# Altium PCB Узел.PcbDoc
Units mm, origin at the board's own origin, x right, y up, seen from the top; angles counter-clockwise.
Board outline 18 x 43.2 mm, 4 copper layers (Top Layer, Int1 (GND), Int2 (PWR), Bottom Layer), stack 1.369 mm thick; 50 components, 51 nets, 209 pads, 74 vias.
Unrouted connection lines stored in the file: 74.
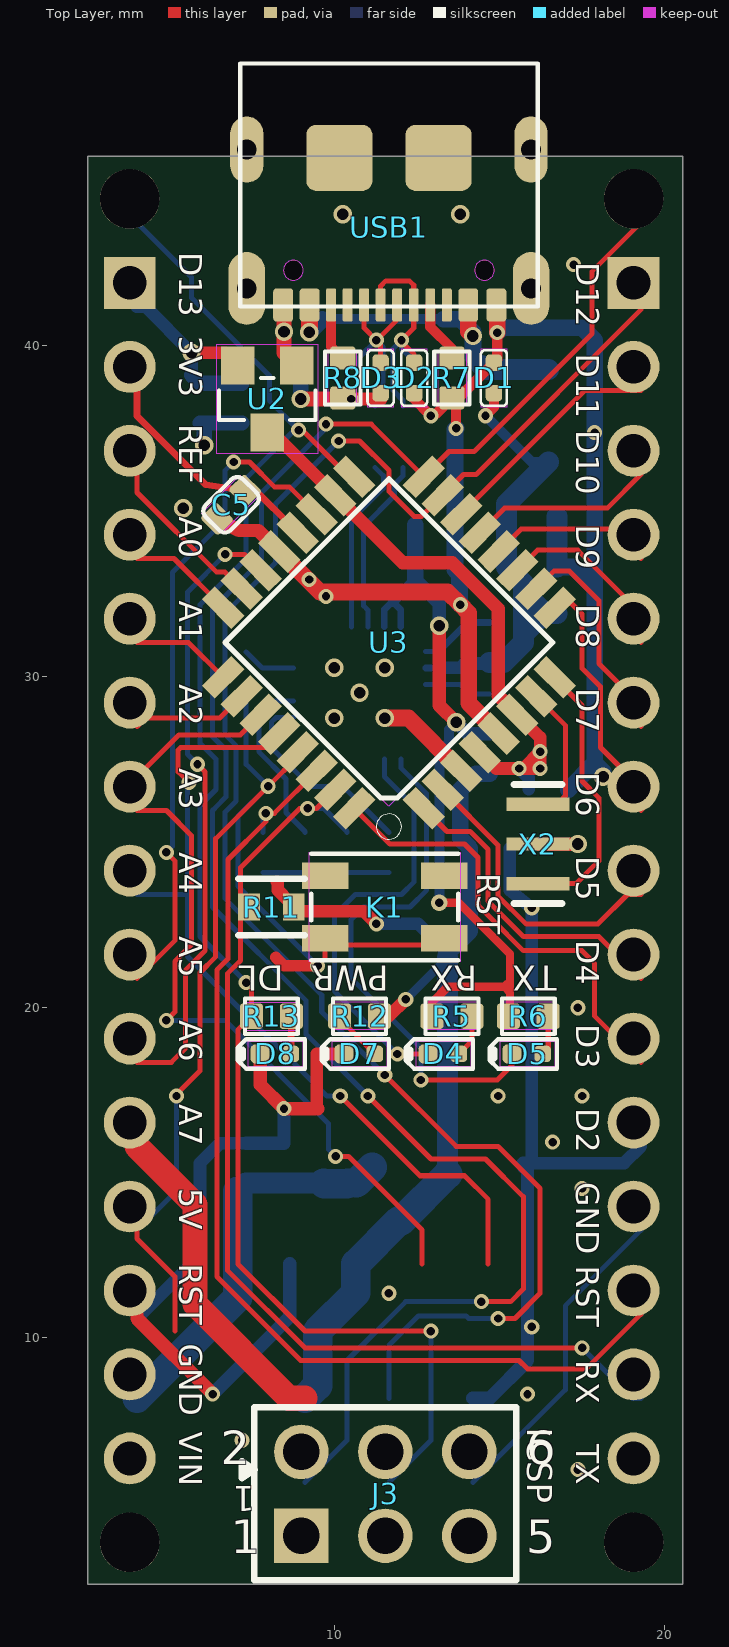
[diagram p0: Top Layer view]
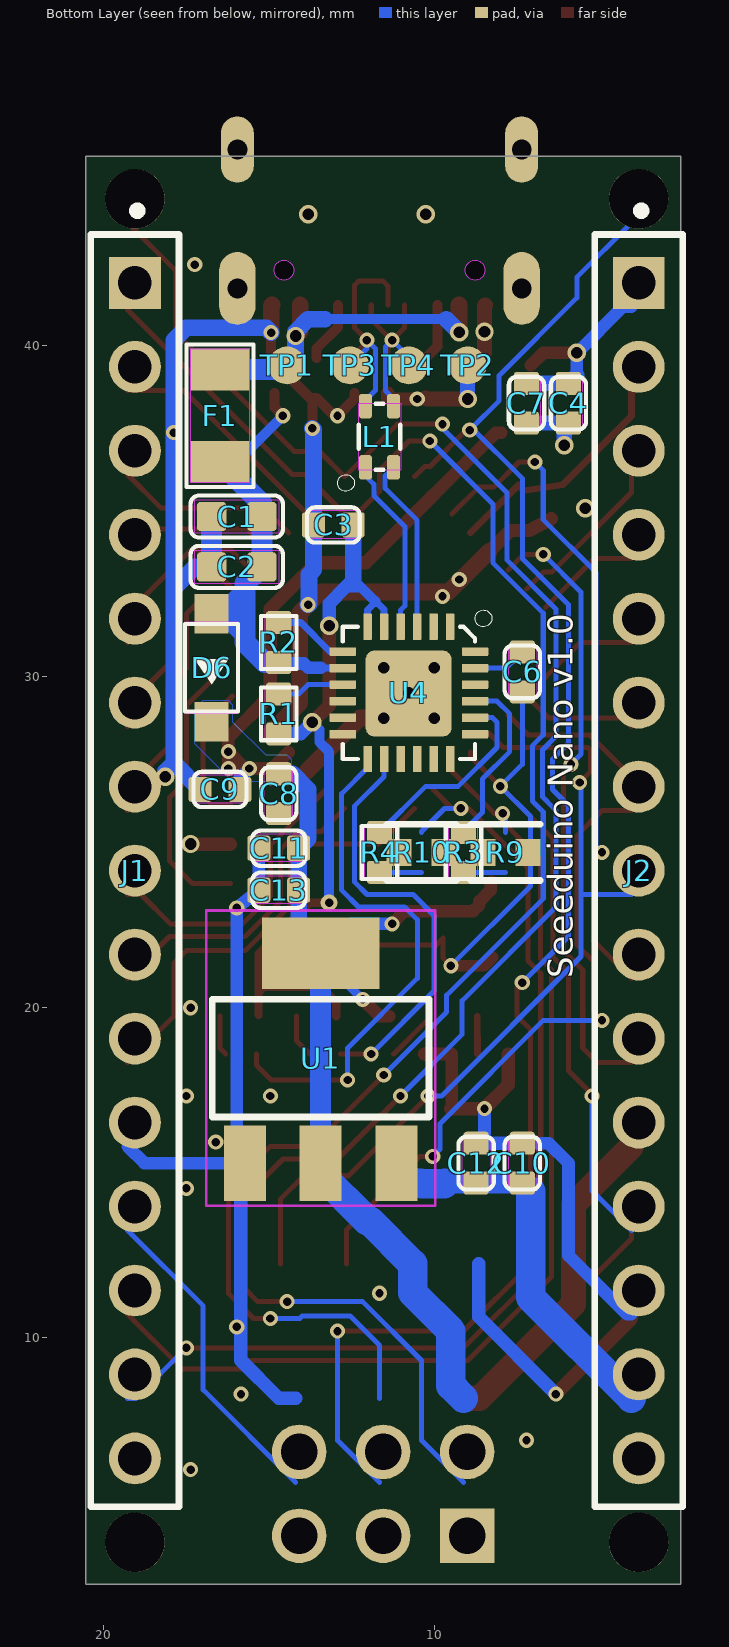
[diagram p1: Bottom Layer view, seen from below]

## Layer stack, top to bottom
Top Solder: solder mask 0.0254, SM-001, Dk 4
Top Layer: signal copper 0.035
Dielectric 1: prepreg 0.1295, PP-017, Dk 4.3
Dielectric 2: prepreg 0.1295, PP-017, Dk 4.3
Int1 (GND): signal copper 0.035
Dielectric 3: core 0.7112, Core-039, Dk 4.8
Int2 (PWR): signal copper 0.035
Dielectric 4: prepreg 0.1295, PP-017, Dk 4.3
Dielectric 5: prepreg 0.1295, PP-017, Dk 4.3
Bottom Layer: signal copper 0.035
Bottom Solder: solder mask 0.0254, SM-001, Dk 4

## Board outline
2.54,2.54 2.54,45.74 20.54,45.74 20.54,2.54
cut-out: 14.54,42.59 ccw(c14.54,42.29) 14.24,42.29 ccw(c14.54,42.29) 14.54,41.99 ccw(c14.54,42.29) 14.84,42.29 ccw(c14.54,42.29)
cut-out: 8.76,42.59 ccw(c8.76,42.29) 8.46,42.29 ccw(c8.76,42.29) 8.76,41.99 ccw(c8.76,42.29) 9.06,42.29 ccw(c8.76,42.29)

## Design rules (kind name [scope] priority, off if disabled: settings)
AcuteAngle [All] p1: minimum=3.50000000000000E+0001 checktracksonly=FALSE
BoardOutlineClearance "BoardOutlineClearance 1" [All] p1: gap=0.25 ignorepadtopadclearanceinfootprint=FALSE except(0: Arc-SplitContinuation Track-SplitContinuation SMDPad-SplitContinuation THPad-SplitContinuation Via-SplitContinuation Fill-SplitContinuation Poly-SplitContinuation Region-SplitContinuation Text-SplitContinuation) // Milling
BoardOutlineClearance "BoardOutlineClearance 2" [All] p2: gap=0.4 ignorepadtopadclearanceinfootprint=FALSE except(0: Arc-SplitContinuation Track-SplitContinuation SMDPad-SplitContinuation THPad-SplitContinuation Via-SplitContinuation Fill-SplitContinuation Poly-SplitContinuation Region-SplitContinuation Text-SplitContinuation) // V-Cut
Clearance "Clearance 3 Oz" [All] p1: gap=0.35 ignorepadtopadclearanceinfootprint=FALSE except(0.25: Arc-Hole Track-Hole SMDPad-Hole THPad-Hole Via-Hole Fill-Hole Poly-Hole Region-Hole Text-Hole)
Clearance "Clearance 2 Oz" [All] p2: gap=0.3 ignorepadtopadclearanceinfootprint=FALSE except(0.25: Arc-Hole Track-Hole SMDPad-Hole THPad-Hole Via-Hole Fill-Hole Poly-Hole Region-Hole Text-Hole)
Clearance "Clearance-1 1 Oz" [All] p3: gap=0.2 ignorepadtopadclearanceinfootprint=FALSE except(0.25: Arc-Hole Track-Hole SMDPad-Hole THPad-Hole Via-Hole Fill-Hole Poly-Hole Region-Hole Text-Hole) // Standart
Clearance "Clearance-2 1 Oz" [All] p4: gap=0.15 ignorepadtopadclearanceinfootprint=FALSE except(0.2: Arc-Fill Arc-Poly Track-Fill Track-Poly SMDPad-Fill SMDPad-Poly THPad-Fill THPad-Poly Via-Fill Via-Poly Fill-Fill Fill-Poly Poly-Poly; 0.25: Arc-Hole Track-Hole SMDPad-Hole THPad-Hole Via-Hole Fill-Hole Poly-Hole Region-Hole Text-Hole) // Advance
Clearance "Clearance-1 1/2 Oz" [All] p5: gap=0.125 ignorepadtopadclearanceinfootprint=FALSE except(0.2: Arc-Fill Arc-Poly Track-Fill Track-Poly SMDPad-SMDPad SMDPad-Fill SMDPad-Poly THPad-Fill THPad-Poly Via-Fill Via-Poly Fill-Fill Fill-Poly Poly-Poly Poly-Region Poly-Text; 0.25: Arc-Hole Track-Hole SMDPad-Hole THPad-Hole Via-Hole Fill-Hole Poly-Hole Region-Hole Text-Hole) // Standart
Clearance "Clearance-2 1/2 Oz" [All] p6: gap=0.1 ignorepadtopadclearanceinfootprint=FALSE except(0.15: Arc-Fill Arc-Poly Track-Fill Track-Poly SMDPad-SMDPad SMDPad-Fill SMDPad-Poly THPad-Fill THPad-Poly Via-Fill Via-Poly Fill-Fill Fill-Poly Poly-Poly Poly-Region Poly-Text; 0.25: Arc-Hole Track-Hole SMDPad-Hole THPad-Hole Via-Hole Fill-Hole Poly-Hole Region-Hole Text-Hole) // Advance
DiffPairsRouting "DiffPairsRouting 1 Oz" [All] p1: maxlimit=0.254 minlimit=0.2 mostfreqgap=0.254 toplayer_minwidth=0.2 toplayer_maxwidth=0.381 toplayer_prefwidth=0.381 midlayer1_minwidth=0.2 midlayer1_maxwidth=0.381 midlayer1_prefwidth=0.381 midlayer2_minwidth=0.2 midlayer2_maxwidth=0.381 midlayer2_prefwidth=0.381 bottomlayer_minwidth=0.2 bottomlayer_maxwidth=0.381 bottomlayer_prefwidth=0.381 maxuncoupledlength=12.7
DiffPairsRouting "DiffPairsRouting 1/2 Oz" [All] p2: maxlimit=0.254 minlimit=0.1 mostfreqgap=0.254 toplayer_minwidth=0.1 toplayer_maxwidth=0.381 toplayer_prefwidth=0.381 midlayer1_minwidth=0.1 midlayer1_maxwidth=0.381 midlayer1_prefwidth=0.381 midlayer2_minwidth=0.1 midlayer2_maxwidth=0.381 midlayer2_prefwidth=0.381 bottomlayer_minwidth=0.1 bottomlayer_maxwidth=0.381 bottomlayer_prefwidth=0.381 maxuncoupledlength=12.7
HoleSize "Minimum HoleSize" [IsPad] p1: absolutevalues=TRUE maxlimit=5.9 minlimit=0.6 maxpercent=80.000 minpercent=20.000
HoleSize "Minimum HoleSize VIA 1" [IsVia] p2: absolutevalues=TRUE maxlimit=5.9 minlimit=0.3 maxpercent=80.000 minpercent=20.000 // Standart
HoleSize "Minimum HoleSize VIA 2" [IsVia] p3: absolutevalues=TRUE maxlimit=5.9 minlimit=0.2 maxpercent=80.000 minpercent=20.000 // Advance
HoleToHoleClearance Hole2HoleClearance [All] p1: gap=0.25 allowstackedmicrovias=FALSE
MinimumAnnularRing "Minimum AR VIA Standart" [IsVia] p1: minimumring=0.15
MinimumAnnularRing "Minimum AR PAD Standart" [IsPAD] p2: minimumring=0.2
MinimumAnnularRing "Minimum AR VIA Advance" [IsVia] p3: minimumring=0.1
MinimumAnnularRing "Minimum AR PAD Advance" [IsPAD] p4: minimumring=0.15
MinimumSolderMaskSliver "SolderMask Bridge Standart" [All] p1: minsoldermaskwidth=0.15 // All Masks
MinimumSolderMaskSliver "SolderMask Bridge Advance" [All] p2: minsoldermaskwidth=0.1 // Mask LDI
PlaneClearance "PlaneClearance 3 Oz" [All] p1: clearance=0.35
PlaneClearance "PlaneClearance 2 Oz" [All] p2: clearance=0.3
PlaneClearance "PlaneClearance 1 Oz" [All] p3: clearance=0.2
PlaneClearance "PlaneClearance-1 1/2 Oz" [All] p4: clearance=0.2 // Standart
PlaneClearance "PlaneClearance-2 1/2 Oz" [All] p5: clearance=0.15 // Advance
PlaneConnect "TermalConnect 3 Oz" [All] p1: planeconnectstyle=Relief reliefexpansion=0.2 reliefentries=4 reliefconductorwidth=0.35 reliefairgap=0.35 // Standart
PlaneConnect "TermalConnect 2 Oz" [All] p2: planeconnectstyle=Relief reliefexpansion=0.2 reliefentries=4 reliefconductorwidth=0.3 reliefairgap=0.3 // Standart
PlaneConnect "TermalConnect-1 1 Oz" [All] p3: planeconnectstyle=Relief reliefexpansion=0.2 reliefentries=4 reliefconductorwidth=0.2 reliefairgap=0.2 // Standart
PlaneConnect "TermalConnect-2 1 Oz" [All] p4: pad.planeconnectstyle=Relief pad.reliefexpansion=0.15 pad.reliefentries=4 pad.reliefconductorwidth=0.2 pad.reliefairgap=0.2 via.planeconnectstyle=Direct via.reliefexpansion=0.15 via.reliefentries=4 via.reliefconductorwidth=0.15 via.reliefairgap=0.15 // Advance
PlaneConnect "TermalConnect-1 1/2 Oz" [All] p5: planeconnectstyle=Relief reliefexpansion=0.2 reliefentries=4 reliefconductorwidth=0.2 reliefairgap=0.2 // Standart
PlaneConnect "TermalConnect-2 1/2 Oz" [All] p6: pad.planeconnectstyle=Relief pad.reliefexpansion=0.15 pad.reliefentries=4 pad.reliefconductorwidth=0.15 pad.reliefairgap=0.15 via.planeconnectstyle=Direct via.reliefexpansion=0.15 via.reliefentries=4 via.reliefconductorwidth=0.15 via.reliefairgap=0.15 // Advance
PolygonConnect "PolygonConnect 3 Oz" [All] p1: thpad.connectstyle=Relief thpad.reliefconductorwidth=0.35 thpad.reliefentries=4 thpad.polygonreliefangle="90 Angle" thpad.airgapwidth=0.35 smdpad.connectstyle=Relief smdpad.reliefconductorwidth=0.35 smdpad.reliefentries=4 smdpad.polygonreliefangle="90 Angle" smdpad.airgapwidth=0.35 via.connectstyle=Direct via.reliefconductorwidth=0.254 via.reliefentries=4 via.polygonreliefangle="90 Angle" via.airgapwidth=0.254
PolygonConnect "PolygonConnect 2 Oz" [All] p2: thpad.connectstyle=Relief thpad.reliefconductorwidth=0.3 thpad.reliefentries=4 thpad.polygonreliefangle="90 Angle" thpad.airgapwidth=0.3 smdpad.connectstyle=Relief smdpad.reliefconductorwidth=0.3 smdpad.reliefentries=4 smdpad.polygonreliefangle="90 Angle" smdpad.airgapwidth=0.3 via.connectstyle=Direct via.reliefconductorwidth=0.254 via.reliefentries=4 via.polygonreliefangle="90 Angle" via.airgapwidth=0.254
PolygonConnect "PolygonConnect-1 1 Oz" [All] p3: thpad.connectstyle=Relief thpad.reliefconductorwidth=0.2 thpad.reliefentries=4 thpad.polygonreliefangle="90 Angle" thpad.airgapwidth=0.2 smdpad.connectstyle=Relief smdpad.reliefconductorwidth=0.2 smdpad.reliefentries=4 smdpad.polygonreliefangle="90 Angle" smdpad.airgapwidth=0.2 via.connectstyle=Direct via.reliefconductorwidth=0.254 via.reliefentries=4 via.polygonreliefangle="90 Angle" via.airgapwidth=0.254 // Standart
PolygonConnect "PolygonConnect-2 1 Oz" [All] p4: thpad.connectstyle=Relief thpad.reliefconductorwidth=0.15 thpad.reliefentries=4 thpad.polygonreliefangle="90 Angle" thpad.airgapwidth=0.15 smdpad.connectstyle=Relief smdpad.reliefconductorwidth=0.15 smdpad.reliefentries=4 smdpad.polygonreliefangle="90 Angle" smdpad.airgapwidth=0.15 via.connectstyle=Direct via.reliefconductorwidth=0.254 via.reliefentries=4 via.polygonreliefangle="90 Angle" via.airgapwidth=0.254 // Advance
PolygonConnect "PolygonConnect-1 1/2 Oz" [All] p5: thpad.connectstyle=Relief thpad.reliefconductorwidth=0.15 thpad.reliefentries=4 thpad.polygonreliefangle="90 Angle" thpad.airgapwidth=0.2 smdpad.connectstyle=Relief smdpad.reliefconductorwidth=0.2 smdpad.reliefentries=4 smdpad.polygonreliefangle="90 Angle" smdpad.airgapwidth=0.2 via.connectstyle=Direct via.reliefconductorwidth=0.254 via.reliefentries=4 via.polygonreliefangle="90 Angle" via.airgapwidth=0.254 // Standart
PolygonConnect "PolygonConnect-2 1/2 Oz" [All] p6: thpad.connectstyle=Relief thpad.reliefconductorwidth=0.125 thpad.reliefentries=4 thpad.polygonreliefangle="90 Angle" thpad.airgapwidth=0.15 smdpad.connectstyle=Relief smdpad.reliefconductorwidth=0.125 smdpad.reliefentries=4 smdpad.polygonreliefangle="90 Angle" smdpad.airgapwidth=0.15 via.connectstyle=Direct via.reliefconductorwidth=0.254 via.reliefentries=4 via.polygonreliefangle="90 Angle" via.airgapwidth=0.254 // Advance
RoutingCorners [All] p1 off: cornerstyle=45-Degree minsetback=2.54 maxsetback=2.54
RoutingVias [All] p1: holewidth=0.3 width=0.6 viastyle="Through Hole" minholewidth=0.2 minwidth=0.4 maxholewidth=5.9 maxwidth=6.4
SilkToSilkClearance Silk2SilkClearance [All] p1 off: silktosilkclearance=0.15
SilkToSolderMaskClearance Silk2SolderMaskClearance [IsPad] p1 off: minsilkscreentomaskgap=0.15 clearancetoexposedcopper=TRUE
SolderMaskExpansion SolderMaskExpansion-1 [All] p1: expansion=0.05 istentingtop=FALSE // Standart
SolderMaskExpansion "SolderMaskExpansion LDI" [All] p2: expansion=0.025 istentingtop=FALSE // Advance
UnRoutedNet [All] p1: checkbadconnections=TRUE
Width "Width 3 Oz" [All] p1: maxlimit=10 minlimit=0.35 preferedwidth=0.4 checkconnectedcopper=TRUE
Width "Width 2 Oz" [All] p2: maxlimit=10 minlimit=0.3 preferedwidth=0.35 minimp=50.000000 maximp=50.000000 favimp=50.000000 checkconnectedcopper=TRUE
Width "Width 1 Oz" [All] p3: maxlimit=10 minlimit=0.15 preferedwidth=0.2 checkconnectedcopper=TRUE
Width "Width 1/2 Oz" [All] p4: maxlimit=10 minlimit=0.1 preferedwidth=0.125 checkconnectedcopper=TRUE
20 further rules are at their usual default settings.

## Classes and differential pairs
net class X2_Nets: GND NetU3_7 NetU3_8
net class USB1_Nets: GND NetD2_2 NetD3_2 NetF1_1 NetR7_2 NetR8_1 NetUSB1_A8 NetUSB1_B8
net class U4_Nets: GND Net5 NetC1_1 NetC6_2 NetD4_- NetD5_- NetR1_2 NetR2_2 NetR3_1 NetR4_1 NetU4_1 NetU4_11 NetU4_12 NetU4_15 NetU4_17 NetU4_18 NetU4_19 NetU4_22 NetU4_24 USB_D USB_D+
net class U3_Nets: GND NetC6_1 NetC8_1 NetJ1_3 NetJ1_4 NetJ1_5 NetJ1_6 NetJ1_7 NetJ1_8 NetJ1_9 NetJ1_10 NetJ1_11 NetJ1_14 NetJ1_15 NetJ2_2 NetJ2_4 NetJ2_5 NetJ2_6 NetJ2_7 NetJ2_8 NetJ2_9 NetJ2_10 NetJ2_11 NetJ3_1 NetJ3_4 NetU3_7 NetU3_8
net class U2_Nets: GND NetC4_1 NetC8_1
net class U1_Nets: GND NetC8_1 NetC10_1
net class TP4_Nets: NetD3_2
net class TP3_Nets: NetD2_2
net class TP2_Nets: GND
net class TP1_Nets: NetF1_1
net class R13_Nets: NetD8_+ NetJ2_2
net class R12_Nets: NetC8_1 NetD7_+
net class R11_Nets: NetC6_1 NetC8_1
net class R10_Nets: NetJ1_15 NetR4_2
net class R9_Nets: NetJ1_14 NetR3_2
net class R8_Nets: GND NetR8_1
net class R7_Nets: GND NetR7_2
net class R6_Nets: Net5 NetD5_+
net class R5_Nets: Net5 NetD4_+
net class R4_Nets: NetR4_1 NetR4_2
net class R3_Nets: NetR3_1 NetR3_2
net class R2_Nets: NetC1_1 NetR2_2
net class R1_Nets: Net5 NetR1_2
net class L1_Nets: NetD2_2 NetD3_2 USB_D USB_D+
net class K1_Nets: GND NetC6_1
net class J3_Nets: GND NetC6_1 NetC8_1 NetJ2_2 NetJ3_1 NetJ3_4
net class J2_Nets: GND NetC4_1 NetC6_1 NetC8_1 NetC10_1 NetJ2_2 NetJ2_4 NetJ2_5 NetJ2_6 NetJ2_7 NetJ2_8 NetJ2_9 NetJ2_10 NetJ2_11
net class J1_Nets: GND NetC6_1 NetJ1_3 NetJ1_4 NetJ1_5 NetJ1_6 NetJ1_7 NetJ1_8 NetJ1_9 NetJ1_10 NetJ1_11 NetJ1_14 NetJ1_15
net class F1_Nets: NetC1_1 NetF1_1
net class D8_Nets: GND NetD8_+
net class D7_Nets: GND NetD7_+
net class D6_Nets: NetC1_1 NetC8_1
net class D5_Nets: NetD5_+ NetD5_-
net class D4_Nets: NetD4_+ NetD4_-
net class D3_Nets: GND NetD3_2
net class D2_Nets: GND NetD2_2
net class D1_Nets: GND NetC1_1
net class C13_Nets: GND NetC8_1
net class C12_Nets: GND NetC10_1
net class C11_Nets: GND NetC8_1
net class C10_Nets: GND NetC10_1
net class C9_Nets: GND NetC8_1
net class C8_Nets: GND NetC8_1
net class C7_Nets: GND NetC4_1
net class C6_Nets: NetC6_1 NetC6_2
net class C5_Nets: GND
net class C4_Nets: GND NetC4_1
net class C3_Nets: GND Net5
net class C2_Nets: GND NetC1_1
net class C1_Nets: GND NetC1_1
polygon class PolygonThermal_OFF: Polygon_1_Net_VCC
pad class SMDPaste_OFF: TP1-T TP2-T TP3-T TP4-T

## Components (designator, comment, footprint, x,y, rotation, side; value= is the part's Value field where it differs from the comment)
C1 "10uF" C0603#1 15.968,34.84 r0 bottom
C2 "100nF" C0603#1 15.968,33.316 r0 bottom
C3 "100nF" C0603#2 13.047,34.586 r180 bottom
C4 "1uF" C0603#2 5.935,38.269 r90 bottom
C5 "100nF" C0603#2 6.875,35.196 r45 top
C6 "100nF" C0603#2 7.332,30.141 r270 bottom
C7 "100nF" C0603#2 7.205,38.269 r90 bottom
C8 "100nF" C0603#2 14.698,26.458 r90 bottom
C9 "100nF" C0603#2 16.476,26.585 r180 bottom
C10 "1uF" C0603#2 7.332,15.282 r270 bottom
C11 "1uF" C0603#2 14.698,24.807 r180 bottom
C12 "100nF" C0603#2 8.729,15.282 r270 bottom
C13 "100nF" C0603#2 14.698,23.537 r180 bottom
D1 "ESDPSA0402V05" ESD-0402 14.825,39.031 r270 top
D2 "ESDPSA0402V05" ESD-0402 12.412,39.031 r90 top
D3 "ESDPSA0402V05" ESD-0402 11.396,39.031 r90 top
D4 "RED" LED-0402 13.301,18.584 r0 top
D5 "GREEN" LED-0402 15.841,18.584 r0 top
D6 "MBR0520LT1G" SOD123-2.7X1.6 16.73,30.268 r270 bottom
D7 "BLUE" LED-0402 10.761,18.584 r0 top
D8 "Yellow" LED-0402 8.221,18.584 r0 top
F1 "1A" F1206 16.476,37.888 r270 bottom
J1 "TSW-115-07-G-S" FP-TSW-115-07-G-S-MFG 19.05,24.13 r90 bottom locked
J2 "TSW-115-07-G-S" FP-TSW-115-07-G-S-MFG 3.81,24.13 r90 bottom locked
J3 "ISP" 61300621121 11.54,5.277 r0 top locked
K1 "BUTTOM" SW4P-SMD-4.5X3.2X2.5MM 11.523,23.029 r180 top
L1 "SRF2012-900YA" INT4-0.85-2X1.25X1.2MM 11.65,37.253 r180 bottom
R1 "1k" R0603 14.698,28.871 r0 bottom
R2 "0R" R0603 14.698,31.03 r0 bottom
R3 "22R" R0603 9.11,24.68 r180 bottom
R4 "22R" R0603 11.65,24.68 r180 bottom
R5 "1k" R0603 13.555,19.727 r270 top
R6 "1k" R0603 15.866,19.727 r270 top
R7 "5.1k" R0603 13.555,39.031 r180 top
R8 "5.1k" R0603 10.253,39.031 r0 top
R9 "RK73B1JTTD102J" FP-RK73B1J-IPC_C 7.84,24.68 r180 bottom
R10 "RK73B1JTTD102J" FP-RK73B1J-IPC_C 10.38,24.68 r180 bottom
R11 "RT0603DRE0710KL" FP-RT0603-IPC_C 8.094,23.029 r180 top value=10KΩ
R12 "3.3k" R0603 10.761,19.727 r270 top
R13 "1k" R0603 8.094,19.727 r90 top
TP1 "TEST" TP-D45MIL 14.444,39.412 r270 bottom
TP2 "TEST" TP-D45MIL 8.983,39.412 r270 bottom
TP3 "TEST" TP-D45MIL 12.539,39.412 r270 bottom
TP4 "TEST" TP-D45MIL 10.761,39.412 r270 bottom
U1 "CJ1117B-5.0" SOT-223 13.428,18.457 r180 bottom
U2 "XC6206P332MR" SOT-23 7.967,38.396 r180 top
U3 "ATMEGA328P-AU" TQFP32-0.8-7X7MM 11.65,31.03 r135 top
U4 "CP2102" QFN24G-0.5-4X4MM 10.761,29.506 r0 bottom
USB1 "TYPE-C" USB2.0-TYPE-C 11.65,41.19 r270 top
X2 "CSTNE16M0V530000R0" FP-CSTNE16M0V530000R0-MFG 16.158,24.934 r270 top

## Footprints (in the part's own frame and the unit in brackets; to place one, negate y for a bottom-side part, rotate by r counter-clockwise, add the part's x,y. Pads: shape width x height; smd on the part's side, far side on the other; paste and mask are expansions set on the pad)
61300621121 [mm] "Pin Header, pitch 2.54 mm, THT, Vertical, dual row, 6p"
  rect 1.65x1.65 hole 1.1: 1(-2.54,-1.27)
  round 1.65 hole 1.1: 2(-2.54,1.27) 3(0,-1.27) 4(0,1.27) 5(2.54,-1.27) 6(2.54,1.27)
  silkscreen extent -3.96,-2.62 3.96,2.62, body extent -3.81,-2.54 3.81,2.54, height 8.59
C0603#1 [mil] "C0603"
  rrect25% 35x35 smd: 1(-30,0) 2(30,0)
  Top Layer keep-out region: -50,-20 -50,20 50,20 50,-20
  silkscreen extent -55,-25 55,25
C0603#2 [mil] "C0603"
  rrect25% 27.4x30 smd: 1(23.7,0) 2(-23.7,0)
  Top Layer keep-out region: -31.65,17.36 32.09,17.36 32.09,-16.3 -31.65,-16.3
  silkscreen extent -32,-21 31,21
ESD-0402 [mm] "ESD-0402"
  rrect50% 0.5x0.5 smd: 1(-0.463,0) 2(0.463,0)
  Top Layer keep-out region: -0.889,-0.381 -0.889,0.381 0.889,0.381 0.889,-0.381
  silkscreen extent -0.84,-0.39 0.84,0.39
F1206 [mil] "F1206"
  rect 50x70 smd: 1(-55,0) 2(55,0)
  Top Layer keep-out region: -80,-35 -80,35 80,35 80,-35
  silkscreen extent -85,-40 85,40
FP-CSTNE16M0V530000R0-MFG [mm]
  rect 0.4x1.9 smd paste+0 mask+0: 1(1.2,0) 2(0,0) 3(-1.2,0)
  silkscreen extent -1.8,-0.72 1.8,0.72, body extent -1.78,-1.05 1.78,1.05, height 0.25
FP-RK73B1J-IPC_C [mm]
  rect 0.756x0.812 smd paste+0 mask+0: 1(-0.675,0) 2(0.675,0)
  silkscreen extent -1.05,-0.85 1.05,0.85, body extent -0.8,-0.4 0.8,0.4, height 0.55
FP-RT0603-IPC_C [mm]
  rect 0.659x0.812 smd paste+0 mask+0: 1(-0.677,0) 2(0.677,0)
  silkscreen extent -1.01,-0.85 1.01,0.85, body extent -1.11,-0.55 1.11,0.55, height 0.25
FP-TSW-115-07-G-S-MFG [mm]
  rect 1.57x1.57 hole 1.02 paste-1000 mask+0: 1(17.78,0)
  round 1.57 hole 1.02 paste-1000 mask+0: 2(15.24,0) 3(12.7,0) 4(10.16,0) 5(7.62,0) 6(5.08,0) 7(2.54,0) 8(0,0) 9(-2.54,0) 10(-5.08,0) 11(-7.62,0) 12(-10.16,0) 13(-12.7,0) 14(-15.24,0) 15(-17.78,0)
  silkscreen extent -19.24,-1.34 20.08,1.34, body extent -19.18,-1.27 19.05,1.27, height 8.63
INT4-0.85-2X1.25X1.2MM [mm] "INT4-0.85-2X1.25X1.2MM"
  rrect50% 0.4x0.75 smd: 1(-0.425,-0.925) 2(-0.425,0.925) 3(0.425,0.925) 4(0.425,-0.925)
  Top Layer keep-out region: 0.635,-1.016 -0.635,-1.016 -0.635,1.016 0.635,1.016
  silkscreen extent -1.27,-1.65 0.63,1
LED-0402 [mm] "LED-0402"
  rrect50% 0.5x0.5 smd: +(0.463,0)
  rrect50% 0.58x0.58 smd: -(-0.468,0)
  Top Layer keep-out region: -0.825,-0.381 -0.825,0.381 0.826,0.381 0.826,-0.381
  silkscreen extent -1.14,-0.44 0.89,0.44
QFN24G-0.5-4X4MM [mm] "QFN24G-0.5-4X4MM"
  rrect20% 0.26x0.8 smd: 1(-1.25,-2) 2(-0.75,-2) 3(-0.25,-2) 4(0.25,-2) 5(0.75,-2) 6(1.25,-2) 13(1.25,2) 14(0.75,2) 15(0.25,2) 16(-0.25,2) 17(-0.75,2) 18(-1.25,2)
  rrect20% 0.8x0.26 smd: 7(2,-1.25) 8(2,-0.75) 9(2,-0.25) 10(2,0.25) 11(2,0.75) 12(2,1.25) 19(-2,1.25) 20(-2,0.75) 21(-2,0.25) 22(-2,-0.25) 23(-2,-0.75) 24(-2,-1.25)
  rrect20% 2.6x2.6 smd: PAD(0.01,0.02)
  silkscreen extent -2.51,-2.51 2,2
R0603 [mil] "R0603"
  rrect25% 30x27.4 smd: 1(0,23.7) 2(0,-23.7)
  Top Layer keep-out region: -17.36,-31.65 -17.36,32.09 16.3,32.09 16.3,-31.65
  silkscreen extent -21,-32 21,32
SOD123-2.7X1.6 [mm] "SOD123-2.7X1.6"
  rect 1.2x1.02 smd: 1(-1.635,0) 2(1.635,0)
  Top Layer keep-out region: 1.397,0.762 1.397,-0.762 -1.397,-0.762 -1.397,0.762
  silkscreen extent -1.33,-0.8 1.33,0.8
SOT-23 [mil] "SOT-23"
  rect 40x45 smd: 1(-35,-40) 2(35,-40) 3(0,40)
  Top Layer keep-out region: -60,-65 -60,65 60,65 60,-65
  silkscreen extent -58,-25 58,25
SOT-223 [mil] "SOT-223"
  rect 50x90 smd: 1(-90,-125) 2(0,-125) 3(90,-125)
  rect 140x85 smd: TER(0,125)
  Top Layer keep-out region: -135,-175 -135,175 135,175 135,-175
  Top Layer keep-out lines w2: 136.73,-176.5 -136.73,-176.5 -136.73,176.5 136.73,176.5 136.73,-176.5
  silkscreen extent -129,-70 129,70
SW4P-SMD-4.5X3.2X2.5MM [mil] "SW4P-SMD-4.5X3.2X2.5MM"
  rect 55.12x31.5 smd: 1(-70.87,-37.01) 2(70.87,-37.01) 3(70.87,37.01) 4(-70.87,37.01)
  Top Layer keep-out region: -90,-65 -90,65 90,65 90,-65
  silkscreen extent -88,-63 88,63